# Altium PCB ZJUDancer_Circuit_V3.6.3.PcbDoc (part 3 of 3)
Units mil, origin at the board's own origin, x right, y up, seen from the top; angles counter-clockwise.
Board outline 4098.46 x 3783.97 mil, 2 copper layers (Top Layer, Bottom Layer); 148 components, 204 nets, 618 pads, 460 vias.
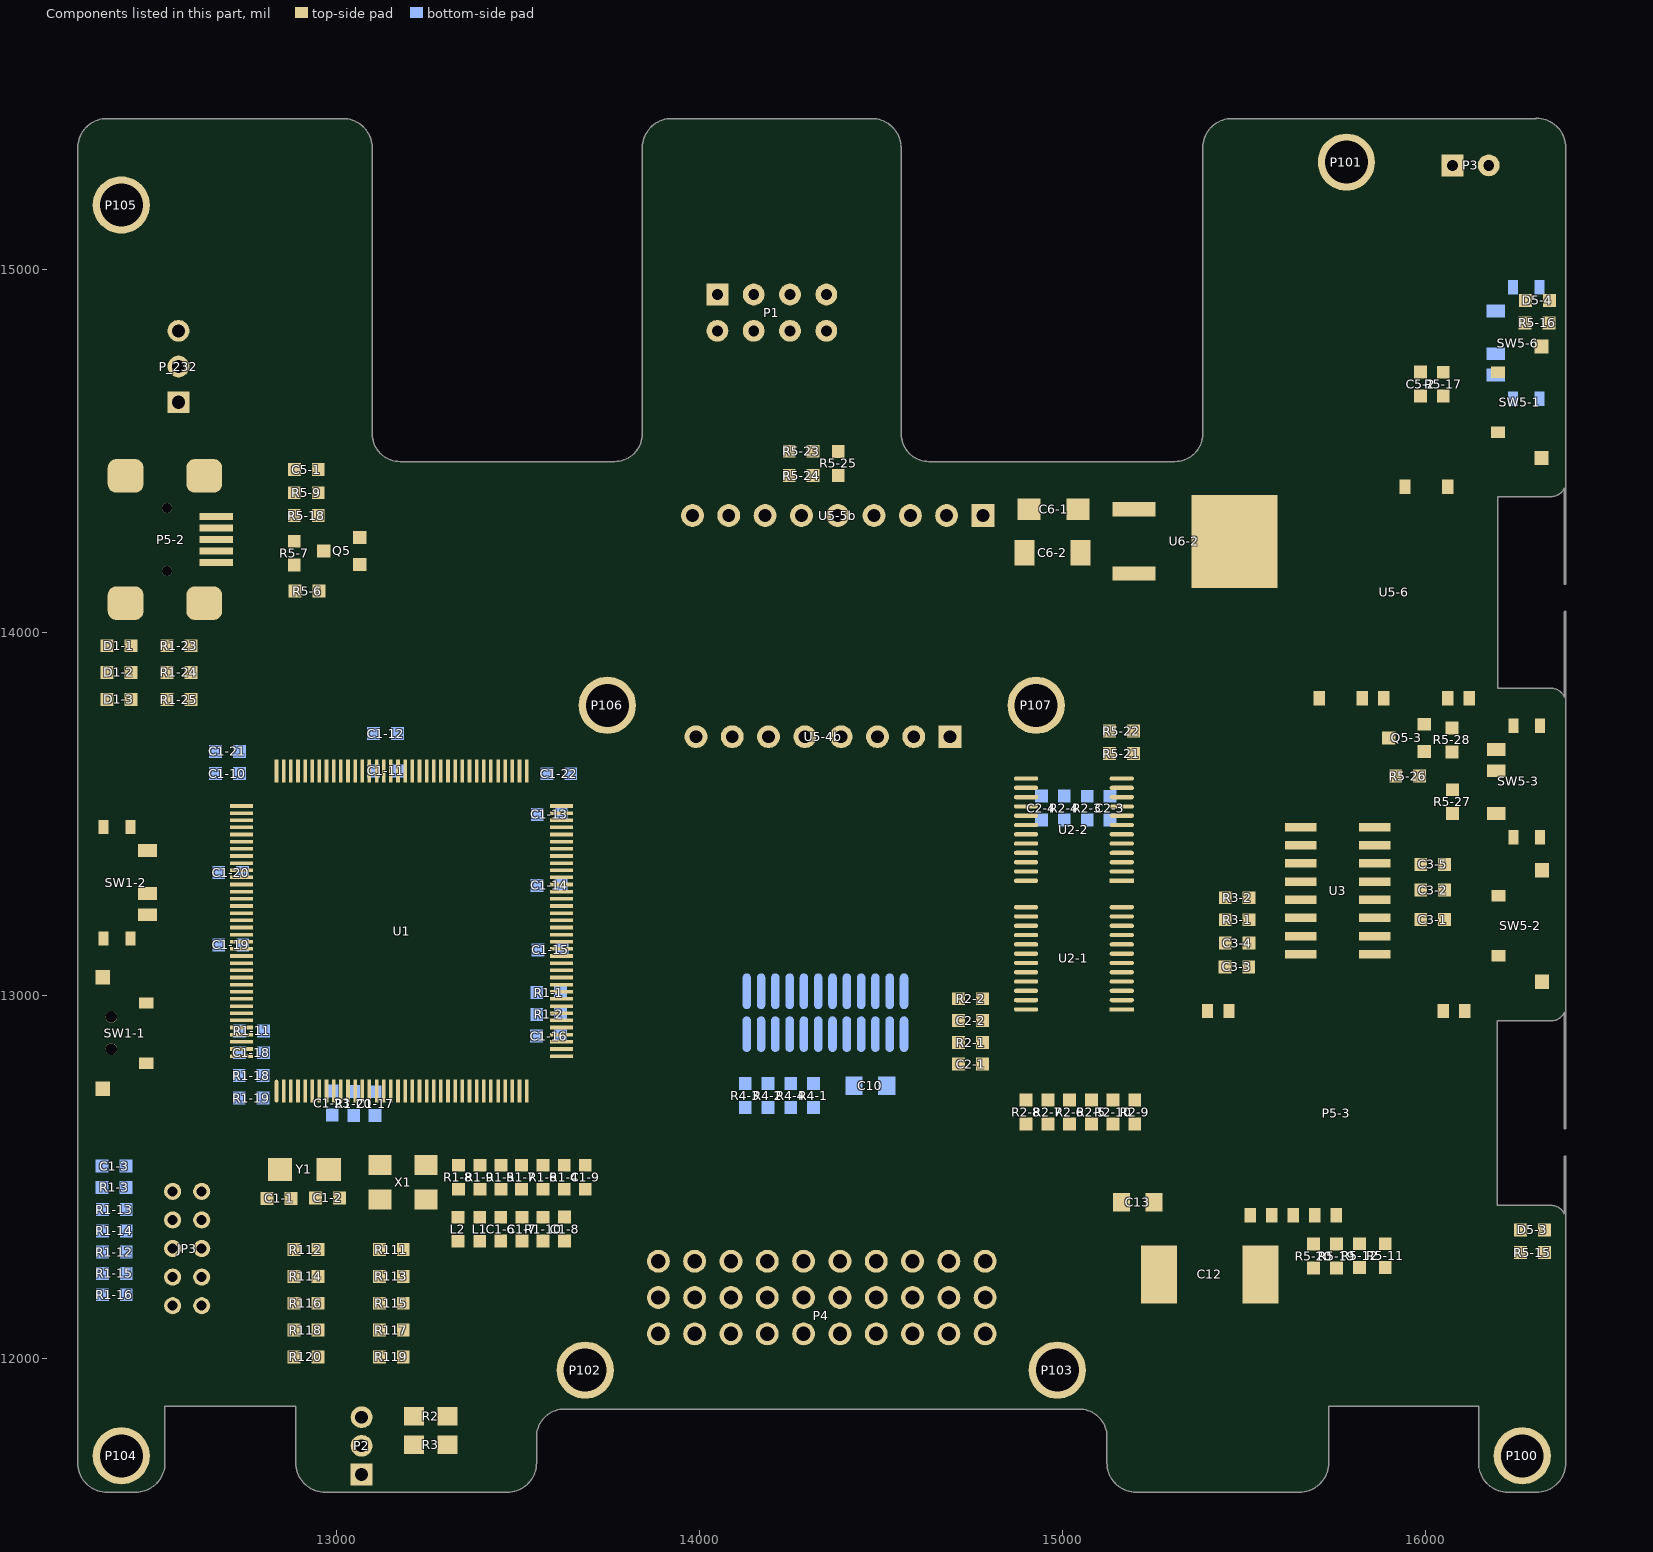
[diagram p3: the components of this part, seen from the top]

## Other copper (continued)
Bottom Layer:
  region net GND: 15612.2,14101.69 15612.2,14398.94 15347.44,14398.94 15347.44,14101.69

## Silkscreen, mask and mechanical layers (free items; w line width, h text height)
Top Overlay:
  lines w10: 12288.9,15490.78 12288.89,15590.78 ; 12348.9,15520.79 12288.9,15540.78 ; 12348.9,15560.79 12288.9,15540.78 ; 13940.26,15540.97 12288.9,15540.78 ; 14732.02,15541.06 16383.39,15541.25 ; 16323.39,15521.25 16383.39,15541.25 ; 16323.38,15561.25 16383.39,15541.25 ; 16383.39,15491.25 16383.38,15591.25 ; 16422.65,11632.99 16522.65,11632.99 ; 16422.65,15412.52 16522.65,15412.52 ; 16452.65,11692.99 16472.65,11632.99 ; 16452.65,15352.52 16472.65,15412.52 ; 16472.65,13126.88 16472.65,11632.99 ; 16472.65,13918.63 16472.65,15412.52 ; 16492.65,11692.99 16472.65,11632.99 ; 16492.65,15352.52 16472.65,15412.52
  text "4094.488 (mil)" at 13950.27,15504.98 h60 r0.01
  text "GND" at 16133.86,15174.21 h30
  text "+12" at 16024.61,15172.24 h30
  text "3779.528 (mil)" at 16508.64,13136.88 h60 r90
  text "ZJUDancer" at 15206.69,11939.96 h80
  text "V4.4.2" at 15213.58,11822.83 h80
Mechanical 1:
  circle w7.87: c15781.02,15294.41 r59.06
  circle w7.87: c16265.28,11731.42 r59.06
  circle w7.87: c14926.69,13798.35 r59.06
  circle w7.87: c13745.59,13798.35 r59.06
  circle w7.87: c12407.01,11731.42 r59.06
  circle w7.87: c12407.01,15176.3 r59.06
  circle w7.87: c13684.57,11967.31 r55.12
  circle w7.87: c14984.96,11967.31 r55.12
  lines w10: 12288.9,12932.2 12288.9,15333.78 cw(c12367.64,15333.78) 12367.64,15412.52 13017.24,15412.52 cw(c13017.24,15333.78) 13095.98,15333.78 13095.98,14546.38 ccw(c13174.72,14546.38) 13174.72,14467.64 13765.28,14467.64 ccw(c13765.28,14546.38) 13844.02,14546.38 13844.02,15333.78 cw(c13922.76,15333.78) 13922.76,15412.52 14473.94,15412.52 cw(c14473.94,15333.78) 14552.68,15333.78 14552.68,14546.38 ccw(c14631.42,14546.38) 14631.42,14467.64 15308.58,14467.64 ccw(c15308.58,14546.38) 15387.32,14546.38 15387.32,15333.78 cw(c15466.06,15333.78) 15466.06,15412.52 16304.65,15412.52 ; 12288.9,13014.99 12288.9,11711.73 ccw(c12367.64,11711.73) 12367.64,11632.99 12446.38,11632.99 ccw(c12446.38,11711.73) 12525.12,11711.73 12525.12,11869.21 12889.65,11869.21 12889.65,11711.73 ccw(c12968.39,11711.73) 12968.39,11632.99 13470,11632.99 ccw(c13470,11711.73) 13548.74,11711.73 13548.74,11783.39 cw(c13627.48,11783.39) 13627.48,11862.13 15044.8,11862.13 cw(c15044.8,11783.39) 15123.54,11783.39 15123.54,11711.73 ccw(c15202.28,11711.73) 15202.28,11632.99 15651.39,11632.99 ccw(c15651.39,11711.73) 15730.13,11711.73 15730.13,11869.21 16147.17,11869.21 16147.17,11711.73 ccw(c16225.91,11711.73) 16225.91,11632.99 16304.65,11632.99 ccw(c16304.65,11711.73) 16383.39,11711.73 16383.39,12949.99 ; 16304.65,15412.99 cw(c16304.65,15334.25) 16383.39,15334.25 ; 16383.39,12932.2 16383.39,15333.78
Mechanical 2:
  lines w5: 12288.9,13522.7 16383.39,13522.7 ; 14336.14,11632.87 14336.14,15412.52 ; 12288.9,11632.87 16383.39,11632.87 16383.39,15412.52 12288.9,15412.52 12288.9,11632.87
Mechanical 3:
  lines w6: 14111.39,12189.99 14132.53,12211.13 14132.53,12436.55 14119.39,12449.68 ; 14212.39,12190.99 14233.39,12211.99 14233.39,12460.68 14224.39,12469.68 ; 14313.39,12189.99 14336.39,12212.99 14336.39,12469.68 ; 14411.28,12192.45 14436.89,12218.06 14436.89,12356.39 14477.39,12396.89 14477.39,12429.68
  text "USB_5V" at 14127.39,15096.99 h30 r180
  text "USB_D+" at 14331.39,15096.99 h30 r180
  text "USB_D-" at 14215.35,15030.95 h30 r180
  text "USB_DG" at 14435.39,15024.99 h30 r180
  text "C_5V" at 14102.39,14753.99 h30 r180
  text "C_D+" at 14304.39,14717.99 h30 r180
  text "C_D-" at 14191.12,14684 h30 r180
  text "C_DG" at 14400.39,14679.99 h30 r180
  text "CAMERA_DG" at 14490.94,12712.68 h50 r90
  text "CAMERA_D-" at 14216.94,12707.99 h50 r90
  text "CAMERA_D+" at 14323.94,12706.99 h50 r90
  text "CAMERA_5V" at 14108.66,12703.99 h50 r90
  text "SUPCON" at 15997.94,12196.3 h60 r90
  text "V1.2" at 15917.94,12192.3 h60 r90
  text "HZ_C5.1B1" at 15737.94,12187.3 h60 r90
  text "SN:120517" at 15827.66,12182.99 h60 r90